# KiCad board BusinessCard.kicad_pcb
title: BusinessCard; date: October 2024; rev: v1

Outline 88.9 x 50.8 mm; copper layers: Top, Bottom. Coordinates in mm from the lower left corner of the outline.
Outline path: 0,45.72 0,5.08 arc(1.49,1.49) 5.08,0 83.82,0 arc(87.41,1.49) 88.9,5.08 88.9,45.72 arc(87.41,49.31) 83.82,50.8 5.08,50.8 arc(1.49,49.31) 0,45.72
Stack: Top 0.035mm / dielectric 1.51mm FR4 er 4.5 / Bottom 0.035mm

## Placement (name value [footprint] x y rotation side)
C1  220nF  [C_0603_1608Metric]  76.84 25.4 90 top
D1  LED  [LED_0603_1608Metric]  72.39 26.67 180 top
L1  Antenna  [NFC_Antenna]  74.59 25.4 90 bottom
R1  470R  [R_0603_1608Metric]  72.39 24.13 180 top
TP1  SCL  [TestPoint_Pad_D1.5mm]  80.65 26.67 180 bottom
TP2  SDA  [TestPoint_Pad_D1.5mm]  80.65 29.84 180 bottom
TP3  VCC  [TestPoint_Pad_D1.5mm]  80.65 23.5 180 bottom
TP4  GND  [TestPoint_Pad_D1.5mm]  80.65 20.32 180 bottom
U1  NT3H2111W0FHKH  [QFN8P50_160X160X50L40X20N]  80.65 25.4 180 top

## Library data of the parts
C1 = -: Description: Unpolarized capacitor; ki_fp_filters: C_*
D1 = -: Description: Light emitting diode; ki_fp_filters: LED* LED_SMD:* LED_THT:*
L1 = -: Description: Inductor; ki_fp_filters: Choke_* *Coil* Inductor_* L_*
R1 = -: Description: Resistor; ki_fp_filters: R_*
TP1-TP4 = -: Description: test point; ki_fp_filters: Pin* Test*
U1 = -: MF: NXP USA; Description_1: RFID Reader/Transponder IC 13.56MHz ISO 14443, NFC I²C 1.67V ~ 3.6V 8-XFQFN Exposed Pad; Package: XQFN-8 NXP Semiconductors; Price: None; Check_prices: https://www.snapeda.com/parts/NT3H2111W0FHKH/NXP+USA+Inc./view-part/?ref=eda; SnapEDA_Link: https://www.snapeda.com/parts/NT3H2111W0FHKH/NXP+USA+Inc./view-part/?ref=snap; Purchase-URL: https://www.snapeda.com/api/url_track_click_mouser/?unipart_id=523723&manufacturer=NXP USA&part_name=NT3H2111W0FHKH&search_term=None; Availability: In Stock; MANUFACTURER: NXP Semiconductors

## Footprints (pads in the part's own frame, mm; a bottom-side part is the same pattern mirrored in y, then rotated)
C_0603_1608Metric
  rrect 0.9x0.95 smd: 1(-0.775,0) 2(0.775,0)
LED_0603_1608Metric
  rrect 0.875x0.95 smd: 1(-0.787,0) 2(0.787,0)
NFC_Antenna
  round 0.3 smd: 1(0.635,13.018) 2(-0.635,9.207)
QFN8P50_160X160X50L40X20N
  rrect 0.71x0.22 smd: 1(-0.695,0.5) 2(-0.695,0)
  rrect 0.7x0.22 smd: 3(-0.695,-0.5) 5(0.695,-0.5) 6(0.695,0) 7(0.695,0.5)
  rrect 0.22x0.7 smd: 4(0,-0.695) 8(0,0.695)
R_0603_1608Metric
  rrect 0.8x0.95 smd: 1(-0.825,0) 2(0.825,0)
TestPoint_Pad_D1.5mm
  round 1.5 smd: 1(0,0)

## Nets
GND: C1.2 D1.1 TP4.1 U1.2
VCC: C1.1 R1.1 TP3.1 U1.6 U1.7
Net-(D1-A): D1.2 R1.2
Net-(U1-LA): L1.1 U1.1
Net-(U1-LB): L1.2 U1.8
Net-(U1-SCL): TP1.1 U1.3
Net-(U1-SDA): TP2.1 U1.5

Pads without a net: U1 4

## Via types
v1: diameter 0.6, hole 0.3, Top to Bottom, 7 vias

## Routing (per net, layer and track width the routed paths; a pad name or vN(x,y) marks a point on that pad's centre or on a via; arc(x,y) is an arc through that point)
GND: length 17.3
  Top w0.2: v1(78.66,25.68) 78.16,26.17 C1.2 73.67,26.17 D1.1 ; v1(82.21,25.81) 81.81,25.4 U1.2
  Bottom w0.2: TP4.1 79.25,21.72 79.25,25.09 ; 79.25,25.09 v1(78.66,25.68) ; 79.25,25.09 82.39,25.09 82.66,25.35 82.21,25.8 v1(82.21,25.81)
VCC: length 9.2
  Top w0.2: U1.7 77.11,24.9 C1.1 73.71,24.62 R1.1 ; U1.7 U1.6 ; U1.7 79.95,24.36 v1(79.97,24.33)
  Bottom w0.2: TP3.1 80.65,23.66 v1(79.97,24.33)
Net-(D1-A): length 2.6
  Top w0.2: 71.56,24.13 71.6,24.17 D1.2
Net-(U1-LA): length 6.8
  Top w0.2: v1(87.63,26.03) 83.69,26.03 82.55,24.9 U1.1
  Bottom w0.2: v1(87.63,26.03) 87.62,26.03 87.61,26.03
Net-(U1-LB): length 3.5
  Top w0.2: v1(81.61,24.29) 81.06,24.29 80.65,24.7
  Bottom w0.2: v1(81.61,24.29) 83.33,24.29 83.8,24.76
Net-(U1-SCL): length 1.8
  Top w0.2: v1(81.67,26.39) 81.67,26.23 U1.3
  Bottom w0.2: TP1.1 81.4,26.67 v1(81.67,26.39)
Net-(U1-SDA): length 4.7
  Top w0.2: U1.5 79.93,25.9 v1(79.42,26.41)
  Bottom w0.2: v1(79.42,26.41) 79.42,28.62 TP2.1

## Copper pours and planes (outline as drawn; the poured copper is in the pictures)
Net-(D1-A) on Top (solid shape): 84.14,6.27 84.14,6.03 84.14,5.35 83.63,3.98 83.49,3.98 82.73,3.98 82.27,4.41 82.26,4.47 82.24,4.53 82.23,4.6 82.22,4.67 82.21,4.75 82.21,4.83 82.2,4.91 82.2,5.02 82.2,5.53 82.2,6.06 82.31,5.96 83.09,5.18 83.09,5.52 82.55,6.06 81.99,6.61 81.98,6.62 81.98,5.64 81.98,4.87 81.98,4.69 81.98,4.63 82.24,3.98 81.36,4.46 81.36,4.69 81.36,5.39 81.36,6.29 81.83,6.76 81.98,6.76 82.31,6.76 82.77,6.76 83.26,6.2 83.27,6.11 83.28,6.02 83.29,5.91 83.29,5.8 83.3,5.61 83.3,5.21 83.3,4.68 82.41,5.56 82.41,5.22 82.55,5.08 83.39,4.25 83.51,4.13 83.52,4.12 83.52,5.1 83.52,5.86 83.52,6.04 83.51,6.1 83.26,6.76

Small or netless copper shapes (teardrops, artwork), in the pictures only: 3412 on Top

## Text on the board
Bottom: SDA | SCL | VCC | GND
F.Silkscreen: frontend | software engineering | backend | embedded | <redacted> | Marc Sportiello
